# KiCad board JumperlessArduino.kicad_pcb (continued)
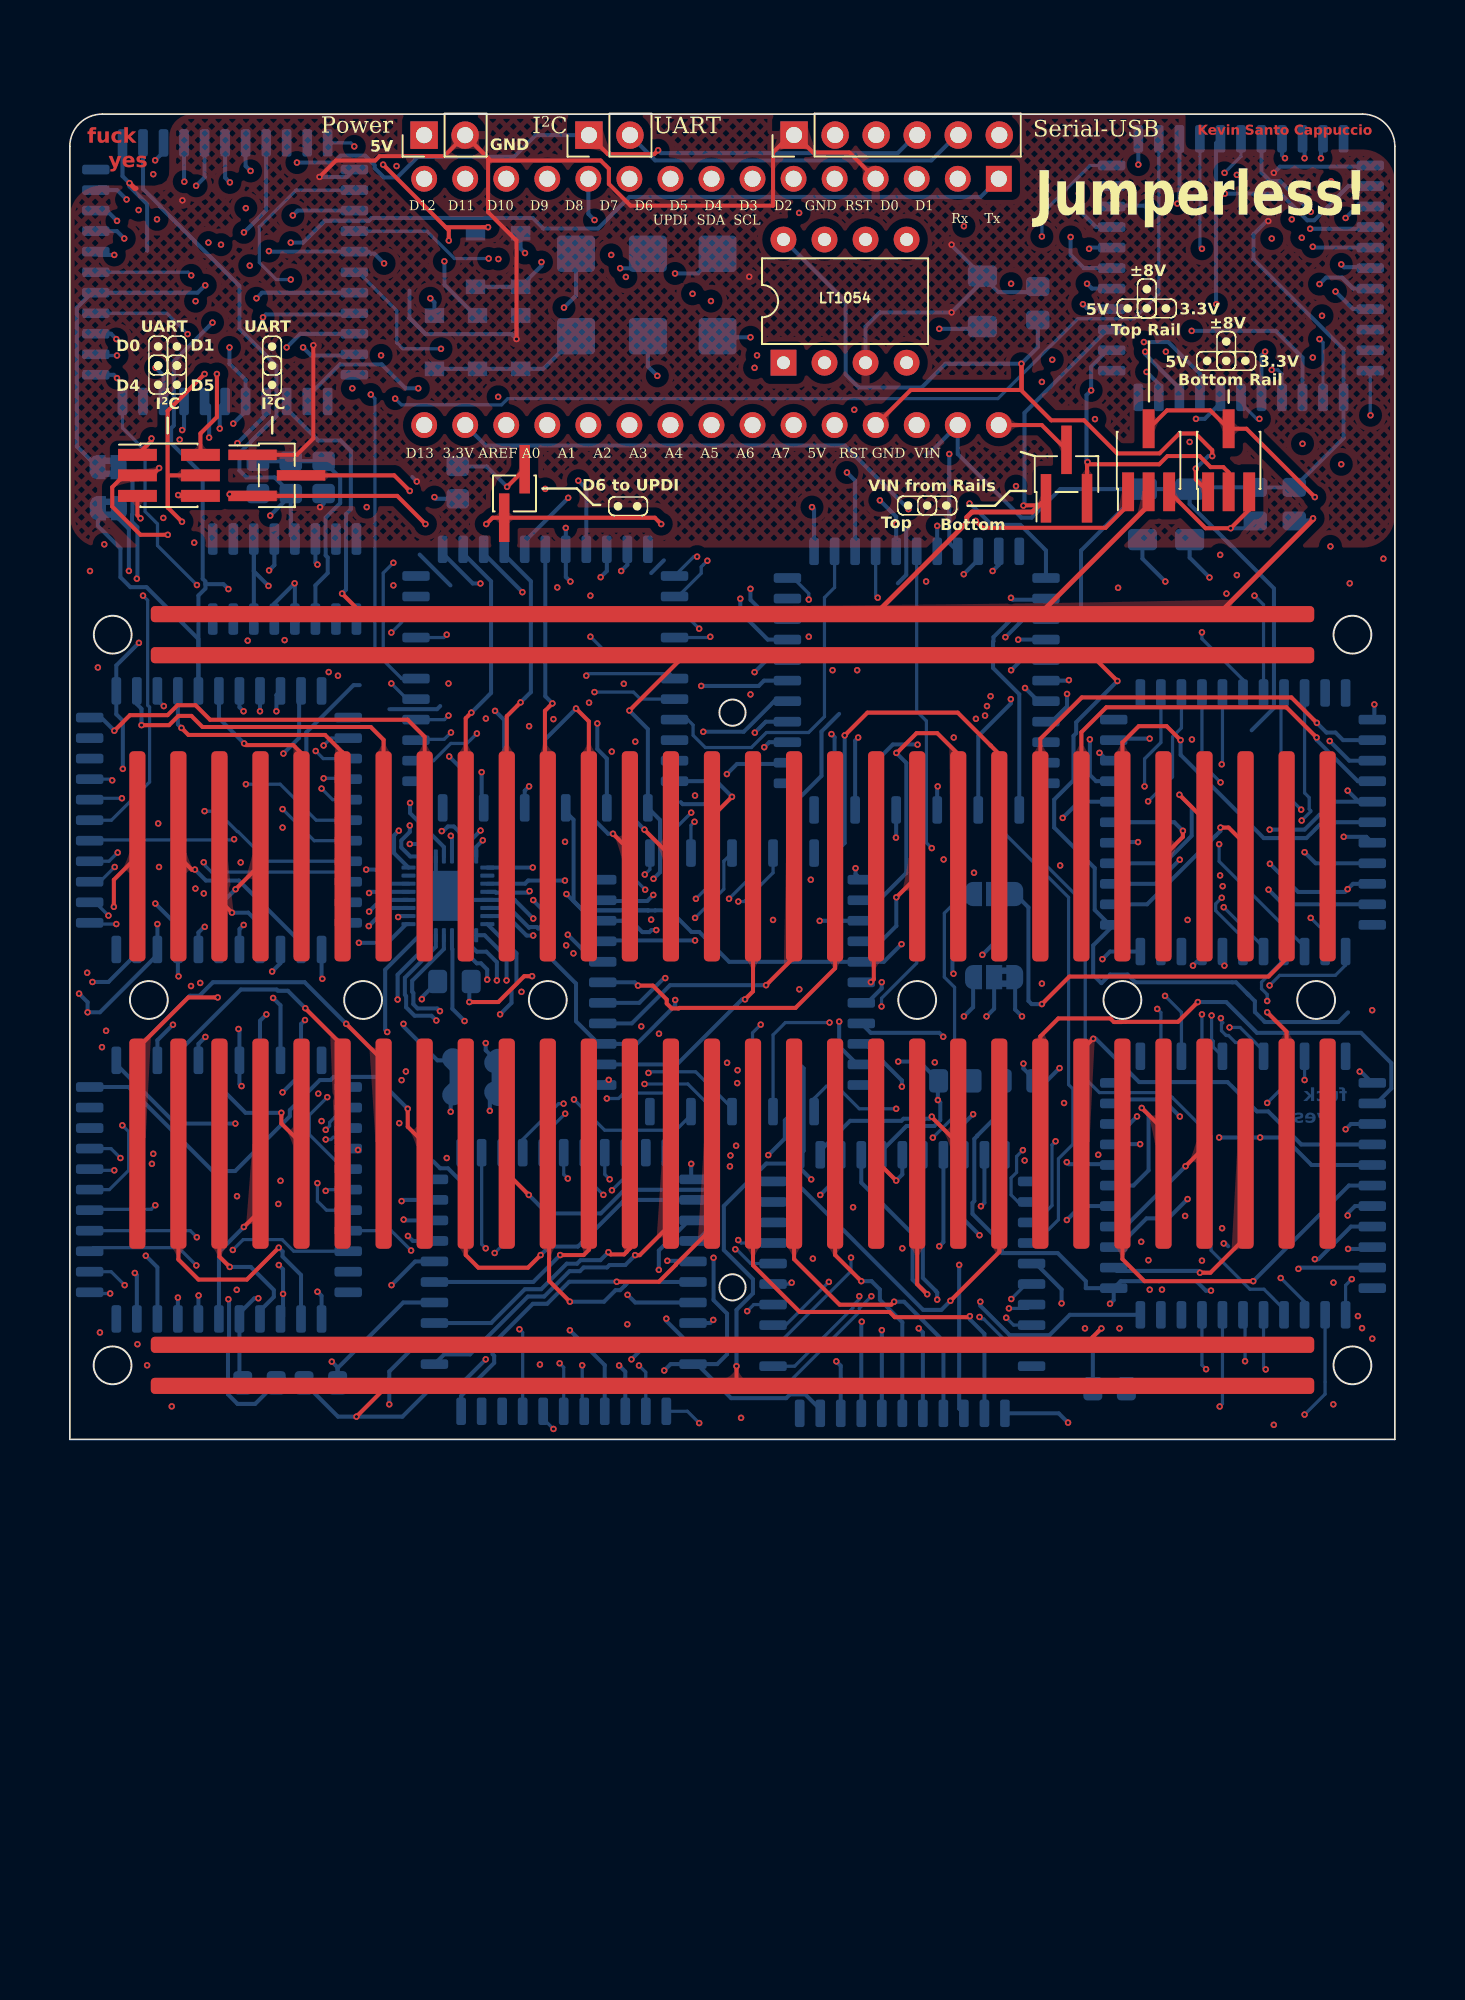
[diagram p0: board, top side]
## Routing (per net, layer and track width the routed paths; a pad name or vN(x,y) marks a point on that pad's centre or on a via; arc(x,y) is an arc through that point) (continued)
  Bottom w0.25: v1(18.52,32.66) 19.24,33.38 U2.12 ; v1(66.12,78.88) I.40
CS_J: length 50.3
  In1.Cu w0.25: v1(18.52,33.81) 17.48,34.84 v1(17.48,65.03)
  In2.Cu w0.25: v1(2.92,65.67) 3.56,65.03 v1(17.48,65.03)
  Bottom w0.25: v1(18.52,33.81) 18.59,33.88 U2.13 ; J.40 2.72,65.87 v1(2.92,65.67)
CS_K: length 55.8
  In1.Cu w0.25: v1(18.34,35.26) 18.37,35.29 18.37,57.68 v1(18.37,57.68)
  In2.Cu w0.25: v1(45.93,57.68) 45.91,57.67 45.81,57.67 45.74,57.74 45.36,57.74 45.36,57.73 45.36,57.74 18.43,57.74 v1(18.37,57.68)
  Bottom w0.25: v1(45.93,57.68) 46.06,57.55 K.40 ; U2.14 19.82,34.38 18.94,35.26 v1(18.34,35.26)
D0: length 68.2
  Top w0.25: J6.1 5.05,61.79 v1(5.05,61.93)
  In1.Cu w0.25: v1(5.05,61.93) 5.35,62.23 5.35,66.27 v1(5.31,66.31) 5.35,66.36 5.35,75.44 v1(5.4,75.49)
  In2.Cu w0.25: A1.2 53.36,76.41 40.42,76.41 39.98,75.97 32.23,75.97 31.79,75.53 14.34,75.53 14.02,75.21 5.68,75.21 v1(5.4,75.49)
  Bottom w0.25: J.37 5.8,65.82 v1(5.31,66.31)
D1: length 72.7
  Top w0.25: J6.2 8.09,62.24 9.1,63.25 v1(9.1,65.92)
  In1.Cu w0.25: v1(9.36,73.92) 9.36,67.57 9.1,67.32 v1(9.1,65.92)
  In2.Cu w0.25: v1(9.36,73.92) 9.61,73.92 9.74,74.05 v1(13.67,74.05) ; A1.1 61.54,78 v1(62.44,77.1)
  Bottom w0.25: v1(13.67,74.05) 14.44,74.05 15.79,75.41 18.51,75.41 18.68,75.57 28.64,75.57 29.3,74.92 32.69,74.92 34.64,76.88 56.36,76.88 A1.1 ; v1(62.44,77.1) 62.44,76.08 63.51,75.01 I.36
D2: length 88.3
  In1.Cu w0.25: A1.5 47.83,77.5 47.83,65.55 48.73,64.65 v1(48.73,47.59)
  In2.Cu w0.25: v1(48.73,47.59) 48.8,47.52 58.18,47.52 v1(58.25,47.59) ; v1(8.62,61.98) 10.32,60.29 30.94,60.29 30.94,60.29 40.42,60.29 40.77,60.65 44.66,60.65 46.13,62.12 46.13,63.26 46.83,63.96 48.29,63.96 v1(48.54,63.71)
  Bottom w0.25: v1(8.62,61.98) 8.62,63.94 J.35 ; v1(58.25,47.59) 58.88,48.22 K.11
D3: length 52.6
  In1.Cu w0.25: v1(61.83,46.98) 61.93,47.09 v1(61.93,74.4) ; v1(45.13,75.89) 44.79,76.23 A1.6
  In2.Cu w0.25: v1(61.93,74.4) 60.43,75.9 45.14,75.9 v1(45.13,75.89)
  Bottom w0.25: K.12 61.79,46.95 v1(61.83,46.98) ; I.34 62.75,72.47 61.93,73.29 v1(61.93,74.4)
D4: length 110.4
  Top w0.25: J6.5 4.19,57.18 v1(4.37,56.99)
  In1.Cu w0.25: A1.7 40.97,76.72 40.97,51.8 40.99,51.78 40.99,47.22 v1(42.12,46.09) ; v1(4.37,56.99) 4.87,56.49 6,56.49 6.31,56.8 6.31,57.2 9.85,60.73 9.85,62.59 v1(10.11,62.85) ; v1(9.88,67.56) 10.23,67.91 10.23,75.52 v1(10.89,76.18)
  In2.Cu w0.25: v1(42.12,46.09) 44.55,46.09 45.53,47.07 58.54,47.07 v1(59.11,46.49) ; v1(10.89,76.18) 10.97,76.26 15.97,76.26 16.26,75.98 31.6,75.98 32.05,76.42 39.79,76.42 41.37,78 A1.7
  Bottom w0.25: v1(59.11,46.49) 59.93,45.68 K.13 ; v1(10.11,62.85) 10.88,63.62 J.33 10.88,65.56 9.88,66.56 v1(9.88,67.56)
D5: length 106
  Top w0.25: v1(6.71,58.43) 6.76,58.38 J6.6
  In1.Cu w0.25: v1(7.78,70.43) 7.82,70.39 7.82,59.54 v1(6.71,58.43) ; v1(62.7,70.24) 62.46,70 62.46,46.87 v1(61.71,46.12) ; A1.8 39.71,70.47 v1(39.68,70.43)
  In2.Cu w0.25: v1(62.7,70.24) 62.43,70.51 39.75,70.51 v1(39.68,70.43) 39.6,70.36 38.32,70.36 37.68,71 23.81,71 23.68,71.13 8.85,71.13 8.6,70.88 8.24,70.88 v1(7.78,70.43)
  Bottom w0.25: v1(62.7,70.24) 62.95,69.99 64.42,69.99 I.32 ; K.14 60.77,44.41 61.71,45.35 v1(61.71,46.12)
D6: length 102.7
  Top w0.25: v1(25.77,56.63) 26.17,57.03 JP9.2 36.2,57.03 v1(36.6,56.63)
  In1.Cu w0.25: A1.9 38.22,76.95 38.22,71.67 36.88,70.33 36.88,64.38 36.01,63.5 36.01,57.22 v1(36.6,56.63) 35.77,55.81 35.77,43.95 v1(34.99,43.17) ; v1(5.79,57.02) 5.79,59.43 6.32,59.97 6.32,61.63 5.98,61.97 5.98,78.44 v1(5.28,79.14)
  In2.Cu w0.25: v1(5.79,57.02) 6.69,56.11 25.25,56.11 v1(25.77,56.63) ; v1(42.97,42.83) 42.87,42.72 35.44,42.72 v1(34.99,43.17)
  Bottom w0.25: J.9 5.8,79.66 v1(5.28,79.14) ; v1(42.97,42.83) 43.28,43.14 K.31
D7: length 96.3
  In1.Cu w0.25: 33.51,73.67 33.51,45.8 33.57,45.74 33.57,42.59 v1(33.54,42.56) ; 33.51,73.67 v1(33.51,73.29) ; 33.51,73.67 33.51,76.88 A1.10
  In2.Cu w0.25: v1(33.51,73.29) 42.16,73.29 42.84,72.61 61.09,72.61 63.34,74.86 75.73,74.86 75.78,74.91 v1(76.76,74.91) ; v1(33.54,42.56) 33.64,42.56 34.96,41.24 35.47,41.24 35.54,41.17 v1(40.66,41.17)
  Bottom w0.25: v1(40.66,41.17) 41.29,41.79 44.33,41.79 K.30 ; v1(76.76,74.91) 80.37,74.91 I.10
D8: length 79.5
  In1.Cu w0.25: v1(55.33,75.07) 56.36,74.03 56.36,58.6 v1(55.68,57.91)
  In2.Cu w0.25: v1(32.47,75.45) 32.55,75.36 55.03,75.36 v1(55.33,75.07) ; v1(7.82,77.57) 8.14,77.25 9.8,77.25 10.34,76.71 16.16,76.71 16.44,76.43 30.52,76.43 A1.11
  Bottom w0.25: A1.11 32.09,75.83 v1(32.47,75.45) ; J.11 8.34,78.09 v1(7.82,77.57) ; v1(55.68,57.91) 55.72,57.91 57.05,56.58 58.83,56.58 60.41,55 K.7
D9: length 95.3
  In1.Cu w0.25: A1.12 26.63,75.08 26.63,73.67 28.42,71.87 28.42,59.81 v1(29.42,58.81) ; v1(58.24,52.07) 58.38,52.21 58.38,58.81 v1(58.55,58.98) ; v1(78.68,60.33) 78.77,60.43 78.77,68.51 78.93,68.67 78.93,71.91 78.68,72.15 v1(78.68,72.7)
  In2.Cu w0.25: v1(78.68,60.33) 77.23,58.88 58.66,58.88 v1(58.55,58.98) 58.46,58.98 58.44,59.01 51.97,59.01 51.76,58.79 29.44,58.79 v1(29.42,58.81)
  Bottom w0.25: 60.41,52.03 60.33,51.95 58.36,51.95 v1(58.24,52.07) ; I.12 80.42,72.53 78.86,72.53 v1(78.68,72.7)
D10: length 20.5
  In2.Cu w0.25: A1.13 25.88,76.88 16.63,76.88 16.22,77.28 10.4,77.28 v1(9.91,77.78)
  Bottom w0.25: v1(9.91,77.78) 9.61,78.07 J.12
D11: length 76.7
  In1.Cu w0.25: A1.14 24.47,66.55 v1(26.51,64.51) ; v1(76.92,66.94) 76.81,67.04 76.81,73.67 76.8,73.68 v1(76.92,73.8)
  In2.Cu w0.25: v1(76.92,66.94) 74.36,64.38 49.25,64.38 48.77,64.86 46.47,64.86 46.11,64.51 v1(26.51,64.51)
  Bottom w0.25: v1(76.92,73.8) 76.97,73.74 I.11
D12: length 12.9
  In2.Cu w0.25: A1.15 16.69,78 16.05,78.64 15.23,78.64 15.07,78.47 11.2,78.47 v1(11.19,78.49)
  Bottom w0.25: v1(11.19,78.49) 10.88,78.79 J.13
D13: length 66.4
  In1.Cu w0.25: v1(77.49,69.53) 77.26,69.75 77.26,71.41 v1(77.34,71.48)
  In2.Cu w0.25: A1.16 23.15,63.98 46.22,63.98 46.65,64.41 48.58,64.41 49.06,63.93 74.8,63.93 77.83,66.95 77.83,67.83 77.86,67.86 77.86,68.3 77.83,68.33 77.83,69.19 v1(77.49,69.53)
  Bottom w0.25: v1(77.34,71.48) 77.74,71.89 78.73,71.89 79.42,71.2 I.13
DAC_0-5V: length 103
  In1.Cu w0.25: v1(71.19,54.73) 71.2,54.75 71.2,60.61 71.48,60.88 v1(71.48,77.08)
  In2.Cu w0.25: v1(71.19,54.73) 69.76,54.73 68.64,55.86 52.65,55.86 51.36,57.15 50.54,57.15 49.49,56.1 34.84,56.1 32.34,53.6 13.09,53.6 v1(12.29,52.81)
  Bottom w0.25: v1(71.48,77.08) 74.92,77.08 76.58,75.43 77.01,75.43 79.13,77.55 I.8 ; U1.14 U1.3 11.39,53.71 v1(12.29,52.81)
DAC_+-9V: length 111.4
  Top w0.25: v1(77.05,58.3) 72.82,62.53 JP6.4 70.58,63.67 67.9,63.67 JP5.4
  In2.Cu w0.25: v1(12.4,57.16) 49.84,57.16 50.28,57.6 50.36,57.6 50.38,57.63 51.22,57.63 52.03,58.43 55.89,58.43 56.02,58.3 v1(77.05,58.3)
  Bottom w0.25: J.8 4.53,77.38 5.61,76.29 5.61,76.25 10.5,71.36 10.5,68.72 12.79,66.43 12.79,63.31 10.5,61.03 10.5,59.95 10.93,59.52 12.67,59.52 R3.2 ; R3.2 13.67,55.96 U1.5 ; R3.2 13.67,58.43 v1(12.4,57.16)
DAC_OUT: length 29.6
  In1.Cu w0.25: v1(20.36,37.66) 20.08,37.94 20.08,39.82 20.53,40.27 20.53,52.33 v1(20.02,52.84)
  In2.Cu w0.25: v1(20.02,52.84) 19.9,52.97 v1(13.91,52.97)
  Bottom w0.25: U2.16 20.07,36.28 20.07,37.37 v1(20.36,37.66) ; U1.12 13.93,52.95 v1(13.91,52.97) 12.66,51.71 U1.13
DATA: length 349.1
  In1.Cu w0.25: v1(78.2,9.7) 77.7,10.2 77.7,17.93 v1(78.95,19.19) 78.85,19.29 78.85,31.24 77.2,32.9 77.2,35.57 77.71,36.08 77.71,42.95 v1(77.97,43.21) 77.97,44.53 77.49,45.01 77.49,58 77.57,58.08 77.57,64 76.36,65.21 76.36,73.49 75.6,74.25 75.6,75.47 v1(75.62,75.49) ; v1(1.07,28.87) 1.12,28.92 1.12,51.98 2.66,53.51 2.66,55.6 2.4,55.86 2.4,67.6 v1(2.88,68.08) ; v1(13.2,9) 13.69,9.49 13.69,25.43 13.14,25.98 13.14,28.33 v1(12.52,28.95) ; v1(28.68,33.37) 29.08,33.77 29.08,35.03 29.2,35.15 29.2,51.23 v1(28.01,52.42) ; v1(68.54,76.46) 68.54,62.48 v1(69.3,61.71) ; v1(36.45,10.49) 36.45,10.67 36.39,10.73 36.39,10.79 36.41,10.81 36.41,16.65 37.52,17.76 37.52,27.13 v1(37.46,27.19)
  In2.Cu w0.25: v1(1.07,28.87) 1.38,29.18 12.29,29.18 v1(12.52,28.95) ; v1(68.54,76.46) 74.65,76.46 v1(75.62,75.49) ; v1(78.2,9.7) 77.96,9.46 74.72,9.46 72.6,11.58 68.96,11.58 67.87,10.5 65.64,10.5 65.34,10.8 v1(55.04,10.8) 54.96,10.72 47.35,10.72 47.15,10.52 36.49,10.52 v1(36.45,10.49) 36.34,10.49 36.19,10.33 36.14,10.33 36.11,10.3 20.88,10.3 20.4,10.79 v1(12.94,10.79) ; v1(69.3,61.71) 67.41,59.83 v1(48.09,59.83)
  Bottom w0.25: v1(48.09,59.83) 48.6,59.32 48.6,54.95 K.42 ; D.42 79.18,42 v1(77.97,43.21) 78.01,43.25 ; v1(12.94,10.79) 13.2,10.53 v1(13.2,9) 13.2,7.61 13.04,7.45 ; v1(12.52,28.95) 13.04,29.47 13.04,30.31 ; v1(2.88,68.08) 2.55,68.41 J.42 ; v1(28.68,33.37) 28.68,33.34 29.26,32.76 ; 29.26,32.76 29.26,30.27 31.33,28.2 31.33,25.87 32.73,24.47 C.42 35.09,24.47 37.46,26.85 v1(37.46,27.19) ; 29.26,32.76 29.26,31.85 29.03,31.62 28.98,31.62 28.89,31.7 28.46,31.7 28.42,31.66 27.2,32.88 U2.30 ; v1(68.54,76.46) 68.67,76.59 I.42 ; F.42 38.31,13.55 36.45,11.69 v1(36.45,10.49) ; v1(28.01,52.42) 28.01,52.43 25.61,54.82 B.42 ; v1(55.04,10.8) 55.04,1.9 G.42 ; H.42 79.28,19.52 v1(78.95,19.19)
DI: length 54.4
  In1.Cu w0.2: v1(71.46,78.37) 71.46,78.3 72.34,77.42 72.34,54.74 71.08,53.48 71.08,51.57 71.78,50.86 71.78,37.59 71.13,36.93 v1(71.13,36.83)
  Bottom w0.2: D.9 76.41,30.48 71.13,35.77 v1(71.13,36.83) ; I.1 72.47,79.38 v1(71.46,78.37)
DJ: length 119.7
  In1.Cu w0.2: v1(60.16,28.2) v1(60.16,65.43)
  In2.Cu w0.2: v1(60.16,65.43) 51,65.43 50.63,65.8 50.63,67.45 50.36,67.72 43.06,67.72 42.92,67.57 32.12,67.57 29.77,69.93 7.58,69.93 7.28,70.22 7.28,71.79 v1(7.51,72.02) ; v1(74.1,27.12) 72.41,28.81 64.3,28.81 63.69,28.2 v1(60.16,28.2)
  Bottom w0.2: D.10 75.14,29.69 73.75,28.29 73.75,27.88 74.1,27.53 v1(74.1,27.12) ; v1(7.51,72.02) 7.32,72.22 J.1
DK: length 48.7
  In2.Cu w0.2: v1(53.34,36.59) 53.47,36.46 67.72,36.46 68.19,36.92 70.32,36.92 70.93,36.32 71.48,36.32 71.78,36.62 75.23,36.62 76.79,35.06 v1(76.79,32.27)
  Bottom w0.2: K.1 52.41,45.05 53.01,44.45 53.01,36.92 v1(53.34,36.59) ; v1(76.79,32.27) 77.68,31.38 D.8
EI: length 125.6
  In1.Cu w0.2: v1(71.31,13.06) 72.75,14.51 72.75,36.73 72.98,36.96 72.98,50.7 73.81,51.52 73.81,62.95 v1(73.62,63.14)
  In2.Cu w0.2: v1(5.29,14.49) 8.68,14.49 10.52,12.64 10.98,12.64 11.42,13.08 22.63,13.08 23.14,13.6 26,13.6 26.12,13.72 32.43,13.72 32.44,13.73 41.87,13.73 42.64,12.96 55.26,12.96 56.09,12.13 56.5,12.13 57.43,13.06 v1(71.31,13.06)
  Bottom w0.2: E.11 1.28,14.23 5.04,14.23 v1(5.29,14.49) ; v1(73.62,63.14) 73.45,63.14 72.47,64.12 I.23
EJ: length 86.3
  In1.Cu w0.2: v1(23.33,17.41) 23.07,17.66 23.07,25.51 23.97,26.4 23.97,27.65 24.09,27.77 24.09,50.3 23.11,51.28 23.11,67.34 v1(22.97,67.48)
  In2.Cu w0.2: v1(3.25,19.43) 4.51,18.17 6.13,18.17 6.89,17.41 v1(23.33,17.41)
  Bottom w0.2: v1(22.97,67.48) 20.61,67.48 20.23,67.85 20.23,69.84 17.85,72.22 J.23 ; v1(3.25,19.43) 3.64,19.04 3.64,16.65 2.45,15.45 E.12
EK: length 64.5
  In1.Cu w0.2: v1(51.52,11.82) 51.77,12.07 51.77,20.84 50.31,22.3 50.31,26.71 v1(50.23,26.79)
  In2.Cu w0.2: v1(21.12,11.68) 22.43,11.68 23.49,12.75 26.35,12.75 26.47,12.87 32.79,12.87 32.79,12.88 41.47,12.88 41.52,12.83 41.57,12.83 42.58,11.82 v1(51.52,11.82)
  Bottom w0.2: v1(50.23,26.79) 50.23,27.3 52.41,29.47 K.23 ; v1(21.12,11.68) 19.89,12.91 E.36
FI: length 115.6
  In1.Cu w0.2: v1(74.51,0.9) 72.03,3.38 72.03,12.04 73.15,13.16 73.15,27.52 73.19,27.56 73.19,36.61 73.43,36.85 73.43,48.34 74.38,49.28 v1(74.38,66.18)
  In2.Cu w0.2: v1(74.51,0.9) 74.12,0.51 30.06,0.51 v1(29.93,0.64)
  Bottom w0.2: 29.3,1.74 29.3,1.28 v1(29.93,0.64) ; v1(74.38,66.18) 74.76,66.18 75.02,65.92 I.21
FJ: length 82.2
  In1.Cu w0.2: v1(27.82,6.81) 27.45,7.19 27.45,27.9 27.53,27.97 27.53,29.12 27.28,29.37 27.28,55.92 25.91,57.29 25.91,63.27 26.65,64.01 26.72,64.01 27.01,64.3 27.01,64.82 25.92,65.9 v1(25.92,73.06)
  Bottom w0.2: F.14 28.02,6.61 v1(27.82,6.81) ; J.21 22.1,74.76 23.8,73.06 v1(25.92,73.06)
FK: length 47
  In2.Cu w0.2: v1(30.82,16.14) 31.27,16.59 33.19,16.59 33.2,16.59 33.62,16.59 33.82,16.39 41.32,16.39 43.6,18.67 v1(53.41,18.67)
  Bottom w0.2: v1(53.41,18.67) 54.75,20.01 54.75,27.97 54.12,28.61 54.12,32.56 54.95,33.39 K.21 ; F.34 30.56,16.39 v1(30.82,16.14)
GI: length 75.6
  In1.Cu w0.2: v1(60.8,66.8) 60.8,37.72 61.79,36.73 61.79,22.41 61,21.63 v1(61,18.44)
  In2.Cu w0.2: v1(77.34,68.08) 76.06,66.8 v1(60.8,66.8)
  Bottom w0.2: v1(61,18.44) 60.78,18.22 60.78,14.46 59.74,13.42 G.31 ; 77.56,64.47 77.56,67.86 v1(77.34,68.08)
GJ: length 115.2
  In1.Cu w0.2: v1(58.25,71.51) 59.65,70.11 59.65,18.56 v1(58.98,17.9)
  In2.Cu w0.2: v1(58.25,71.51) 58.17,71.43 25.55,71.43 25.21,71.76 v1(13.67,71.76)
  Bottom w0.2: v1(13.67,71.76) 12.79,71.76 11.73,72.82 11.73,75.03 14,77.3 J.19 ; v1(58.98,17.9) 58.59,17.5 58.59,16.52 58.25,16.18 58.25,15.12 58.68,14.69 G.30
GK: length 29.9
  Bottom w0.2: K.19 57.49,37.86 61.81,33.54 61.81,21.95 62.08,21.68 62.08,18.26 61.18,17.36 61.18,13.59 59.74,12.15 G.32
HI: length 62.4
  In1.Cu w0.2: v1(79.33,9.91) 78.57,10.68 78.57,12.2 80.32,13.95 80.32,22.96 80.09,23.19 80.09,31.23 78.07,33.26 78.07,35.21 79.33,36.47 79.33,38.8 78.58,39.55 78.58,40.35 78.96,40.73 78.96,45.61 80.71,47.36 80.71,63.15 v1(80.49,63.37)
  Bottom w0.2: v1(79.33,9.91) 78.95,9.53 H.7 ; v1(80.49,63.37) 80.47,63.38 I.17
HJ: length 148.6
  In1.Cu w0.2: v1(41.54,1.33) 45.17,4.96 45.17,19.78 44.47,20.48 44.47,29.35 44.39,29.42 44.39,48.41 43.65,49.16 43.65,64.47 42.38,65.74 v1(42.38,66.3) ; v1(19.26,67.07) 19.26,71.22 19.95,71.91 19.95,77.61 17.6,79.95 v1(17.6,80)
  In2.Cu w0.2: v1(42.38,66.3) 36.57,66.3 36.56,66.31 36.15,66.31 36.15,66.3 20.03,66.3 v1(19.26,67.07) ; v1(76.41,1.53) 41.74,1.53 v1(41.54,1.33)
  Bottom w0.2: J.17 17.39,80.22 v1(17.6,80) ; H.8 77.68,2.8 v1(76.41,1.53)
HK: length 42
  Bottom w0.2: H.10 75.14,8.04 73.9,9.29 73.03,9.29 70.63,11.69 70.63,18.75 68.23,21.14 67.92,21.46 63.72,21.46 62.84,22.34 62.84,33.1 60.41,35.53 K.17
I2C_SCL/UART_Rx: length 126.6
  Top w0.25: v1(8.34,65.92) 6.05,63.64 6.05,57.67 6.07,57.65 ; v1(6.94,56.78) 6.07,57.65 ; 6.07,57.65 6.07,59.65 J6.4
  In1.Cu w0.25: v1(8.07,28.24) 8.07,28.69 7.03,29.73 7.03,43.4 7.45,43.82 7.45,48.4 6.77,49.07 6.77,56.61 v1(6.94,56.78) ; J1.2 33.49,79.53 19.12,79.53 18.12,80.53 8.34,80.53 8.34,74.56 8.05,74.27 8.05,71.82 7.86,71.62 7.86,71.18 8.31,70.73 8.31,65.95 v1(8.34,65.92)
  In2.Cu w0.25: v1(20.65,25.71) 20.57,25.79 19.47,25.79 18.83,25.16 14.06,25.16 12.39,26.82 9.37,26.82 9.37,26.82 8.71,26.82 8.07,27.46 v1(8.07,28.24)
  Bottom w0.25: J1.2 36.23,79.14 53.32,79.14 54.98,80.8 ; JP10.2 22.75,23.45 20.65,25.56 v1(20.65,25.71)
I2C_SDA/UART_Tx: length 129
  Top w0.25: v1(36.41,79.77) 36.17,79.53 33.3,79.53 J1.1 ; v1(5.53,60.1) 5.08,59.65 J6.3 3.36,59.65 2.62,58.92 2.62,57.72 4.37,55.97 v1(6.06,55.97)
  In1.Cu w0.25: v1(5.53,60.1) 4.53,61.1 4.53,62.37 4.78,62.62 4.78,75.86 5.16,76.25 v1(5.16,78.28) ; v1(6.06,55.97) 6.06,48.51 6.38,48.19 6.38,43.81 6.58,43.61 6.58,29.55 7.2,28.92 7.2,28.91 7.5,28.61 v1(7.5,28.05)
  In2.Cu w0.25: v1(7.5,28.05) 7.5,27.01 10.44,24.07 19.14,24.07 19.75,24.68 25.58,24.68 v1(25.74,24.52) ; v1(5.16,78.28) 5.89,79.01 14.05,79.01 v1(14.05,79)
  Bottom w0.25: JP8.2 25.74,24.08 v1(25.74,24.52) ; 52.44,80.8 51.23,79.59 36.58,79.59 v1(36.41,79.77) ; v1(14.05,79) 16.34,79 16.77,79.43 18.27,79.43 18.86,78.84 18.86,78.66 19.44,78.08 20.26,78.08 21.54,79.36 27.49,79.36 28.83,80.7 J1.1
I2C_UART_SELECTION: length 31.2
  Top w0.25: v1(21.04,58.68) 20.08,59.65 JP4.2
  In1.Cu w0.25: v1(21.04,58.68) 21.04,44.45 20.98,44.39 20.98,40.08 20.53,39.63 20.53,38.49 v1(21.04,37.98)
  Bottom w0.25: U2.17 21.07,36.07 20.52,36.62 20.52,37.06 21.04,37.58 v1(21.04,37.98)
NANO_~{RESET}: length 36.6
  In1.Cu w0.25: v1(78.33,71.02) 78.29,71.06 78.31,71.08 78.31,71.89 78.05,72.15 78.05,77.84 v1(78.05,77.84)
  In2.Cu w0.25: A1.3 53.36,78 54.48,79.12 65.13,79.12 66.65,77.61 73.89,77.61 74.1,77.39 77.6,77.39 v1(78.05,77.84)
  Bottom w0.25: v1(78.33,71.02) 79.42,69.93 I.14
RESET: length 324.8
  In1.Cu w0.25: v1(79.71,7.63) 79.53,7.63 77.05,10.11 v1(77.05,11.15) 75.47,12.73 75.47,35.39 v1(76.41,36.33) 76.94,36.86 76.94,42.9 76.63,43.21 76.63,43.59 76.41,43.81 76.41,61.6 ; 76.41,61.6 v1(76.28,61.6) ; 76.41,61.6 75.91,62.1 75.91,73.3 75.03,74.18 75.03,79.11 v1(75.2,79.27) ; v1(6.73,28.65) 6.91,28.47 6.91,28.37 6.96,28.31 6.96,25.6 6.91,25.55 6.91,8.99 v1(6.69,8.77) ; v1(38.69,30.87) 39.21,30.35 39.21,8 v1(39.82,7.39) ; v1(3.37,74.3) 3.45,74.23 3.45,57.71 3.4,57.66 3.4,56.59 5.07,54.92 5.07,38.45 4.95,38.33 4.95,33.5 v1(5.29,33.16)
  In2.Cu w0.25: v1(79.71,7.63) 79.16,7.63 77.69,6.16 52.88,6.16 52.7,6.34 52.19,6.34 51.25,7.28 v1(49.01,7.28) 48.63,6.91 40.3,6.91 v1(39.82,7.39) 39.22,7.99 34.95,7.99 34.92,7.97 7.49,7.97 v1(6.69,8.77) ; v1(76.28,61.6) 75.27,62.62 65.24,62.62 64.22,61.6 55.06,61.6 v1(54.43,60.97) 47.97,60.97 46.57,59.57 40.97,59.57 40.78,59.39 31.54,59.39 v1(31.47,59.32)
  Bottom w0.25: v1(6.73,28.65) 6.69,28.69 A.3 6.69,31.76 v1(5.29,33.16) ; K.3 54.43,55.47 v1(54.43,60.97) ; G.3 48.98,7.25 v1(49.01,7.28) ; C.3 33.03,30.87 v1(38.69,30.87) ; B.3 31.96,58.83 v1(31.47,59.32) ; v1(39.82,7.39) 39.63,7.2 F.3 ; v1(3.37,74.3) 2.91,74.76 J.3 ; I.3 75.02,79.46 v1(75.2,79.27) ; v1(76.41,36.33) 77.1,35.65 D.3 ; H.3 79.28,13.17 77.27,11.15 v1(77.05,11.15) ; E.3 v1(6.69,8.77)
STROBE: length 332.6
  In1.Cu w0.25: v1(28.68,31.18) 29.53,32.03 29.53,34.85 29.93,35.24 v1(29.93,44.56) ; v1(46.41,32.08) 46.33,32.01 46.33,31.26 46.44,31.15 v1(46.44,15.12) ; v1(69.43,68.59) 69.14,68.3 69.14,62.76 69.95,61.95 69.95,61.49 69.05,60.59 69.05,43.7 v1(69.44,43.31) 69.44,43.3 69.44,36.62 v1(68.69,35.87) 68.16,35.34 68.16,29.63 69.28,28.5 69.28,17.91 69.7,17.5 69.7,15.39 v1(69.17,14.87) ; v1(6.31,2.04) 6.09,2.26 6.09,25.36 v1(6.38,25.66) 6.51,25.78 6.51,28.13 6.05,28.59 6.05,38.33 5.82,38.55 v1(5.82,45.37) 5.52,45.67 5.52,55.1 3.85,56.77 3.85,57.47 3.89,57.52 3.89,75.7 v1(4.26,76.06)
  In2.Cu w0.25: v1(6.31,2.04) 19.64,2.04 v1(19.77,2.17) ; v1(69.17,14.87) 68.92,15.12 v1(46.44,15.12) ; v1(69.44,43.31) 67.97,44.78 59.25,44.78 v1(58.23,45.8) 57.53,46.51 46.11,46.51 42.95,43.35 42.76,43.35 42.59,43.19 37.55,43.19 36.62,44.12 33.92,44.12 33.79,44.25 32.69,44.25 v1(32.64,44.3) 32.38,44.56 v1(29.93,44.56) 29.68,44.56 27.85,46.39 24.26,46.39 24.12,46.25 12.84,46.25 12.71,46.12 6.57,46.12 v1(5.82,45.37) ; v1(4.26,76.06) 4.31,76.02 10.32,76.02 10.67,75.66 13.73,75.66 v1(13.8,75.73)
  Bottom w0.25: C.20 46.41,32.09 v1(46.41,32.08) ; v1(13.8,75.73) 14.1,76.03 J.20 ; K.20 56.22,38.95 56.22,43.52 58.23,45.53 v1(58.23,45.8) ; E.20 5.42,24.69 v1(6.38,25.66) ; v1(28.68,31.18) 28.27,31.18 27.06,32.38 U2.31 ; v1(5.82,45.37) 5.42,45.77 A.20 ; v1(69.17,14.87) 67.98,13.67 66.63,13.67 64.85,11.9 H.20 ; v1(46.44,15.12) 47.71,16.39 G.20 ; v1(32.64,44.3) 32.64,42.71 33.23,42.12 33.23,39.07 ; v1(68.69,35.87) 67.2,34.38 D.20 ; v1(69.43,68.59) 74.63,68.59 76.28,66.94 I.20 ; F.20 21.5,5.93 19.77,4.2 v1(19.77,2.17)
TOP_RAIL: length 145.1
  Top w0.25: J5.31 18.12,51.06 v1(16.85,52.33) ; JP1.1 59.98,57.79 59.03,57.79 v1(59.01,57.78)
  Top w0.3: v1(76.94,56.99) 76.94,56.91 71.08,51.06 J5.31 ; JP5.2 66.76,57.8 60.02,51.06 J5.31 ; J5.31 49.85,51.06 55.51,56.72 55.51,57.06 55.83,57.38 59.56,57.38 59.98,57.79
  Bottom w0.25: v1(59.01,57.78) 59.08,57.84 59.08,63.52 64.22,68.66 I.31 ; v1(16.85,52.33) 17.09,52.58 17.09,57.25 17.39,57.55 17.39,61.16 16.75,61.81 15.38,61.81 13.42,63.76 J.31
  Bottom w0.3: v1(76.94,56.99) 76.78,56.83 C8.2
USE_NANO_AS_UPDI_PROGRAMMER: length 39.1
  In1.Cu w0.25: v1(32.13,45.58) 32.13,45.16 31.95,44.98 31.95,35.89 v1(30.64,34.58) ; v1(23.43,46.77) 22.56,47.64 v1(22.56,58.3)
  In2.Cu w0.25: v1(32.13,45.58) 30.88,46.84 23.5,46.84 v1(23.43,46.77)
  Bottom w0.25: U2.27 28.17,34.38 28.36,34.58 v1(30.64,34.58) ; v1(22.56,58.3) 22.67,58.2 R1.1
Net-(D1-A): length 12
  In2.Cu w0.25: v1(34.06,72.46) 29.57,72.46 v1(29.19,72.85)
  Bottom w0.25: v1(34.06,72.46) 34.87,72.46 C2.1 ; D2.1 D1.2 29.19,72.61 v1(29.19,72.85)
Net-(D3-A): length 9.6
  Bottom w0.25: D3.2 D5.2 29.31,66.24 31.33,68.26
Net-(D3-K): length 42.6
  In1.Cu w0.25: v1(53.81,68.72) 53.81,68.97 51.78,70.99 U3.5
  In2.Cu w0.25: v1(53.81,68.72) 32.51,68.72 31.11,70.12 31.11,70.25 30.8,70.55 22.36,70.55 v1(22.31,70.6)
  Bottom w0.25: v1(53.81,68.72) 56.33,68.72 C4.2 ; v1(22.31,70.6) 22.56,70.35 D3.1
Net-(JP2-B): length 17.9
  In2.Cu w0.25: v1(4.15,53.25) 4.66,53.77 v1(12.33,53.77)
  Bottom w0.25: JP2.2 3.88,59.3 3.88,57.24 3.85,57.21 3.85,56.77 4.18,56.44 4.18,53.29 v1(4.15,53.25) ; U1.4 12.66,54.09 v1(12.33,53.77)
Net-(JP3-A): length 17.7
  In2.Cu w0.25: v1(3.66,53.74) 4.21,54.29 15.16,54.29 v1(15.33,54.13)
  Bottom w0.25: U1.6 15.2,54.25 v1(15.33,54.13) ; v1(3.66,53.74) 3.66,56.33 3.04,56.95 JP3.1
Net-(JP8-A): length 14.2
  In1.Cu w0.25: v1(26.63,26.3) 26.63,20.96 v1(25.99,20.33)
  Bottom w0.25: U2.32 27.64,30.08 27.64,28.18 27.33,27.87 27.33,27 v1(26.63,26.3) ; v1(25.99,20.33) 25.99,20.98 JP8.1
Net-(JP9-A): length 5.1
  Top w0.25: v1(27.06,58.94) JP9.1
  Bottom w0.25: R1.2 25.8,60.2 v1(27.06,58.94)
Net-(JP10-A): length 14.7
  In1.Cu w0.25: v1(23.57,20.27) 25.06,21.76 25.06,26.21 27.03,28.17 v1(27.03,28.4)
  Bottom w0.25: JP10.1 23.57,21.19 v1(23.57,20.27) ; U2.1 25.67,31.19 27.03,29.84 v1(27.03,28.4)
Net-(U1B--): length 15
  Bottom w0.25: U1.11 15.2,52.84 15.96,53.6 15.96,54.57 15.83,54.7 15.83,57.03 16.73,57.93 16.73,59.5 R2.2 R4.2
Net-(U3-CAP+): length 23.7
  In1.Cu w0.25: v1(36.36,65.81) 36.22,65.94 36.22,70.91 v1(37.45,72.14)
  In2.Cu w0.25: v1(36.36,65.81) 37.67,65.81 37.98,65.5 45.58,65.5 U3.2
  Bottom w0.25: v1(36.36,65.81) 35.77,66.39 35.77,68.26 ; C3.1 38.87,72.14 v1(37.45,72.14)
Net-(U3-CAP-): length 29.2
  In2.Cu w0.25: U3.4 51.78,67.75 51.34,68.19 v1(42.12,68.19) 32.11,68.19 30.58,69.72 v1(30.58,70.03)
  Bottom w0.25: v1(42.12,68.19) 40.16,68.19 40.09,68.26 ; v1(30.58,70.03) 31.33,70.77 C5.1

## Copper pours and planes (outline as drawn; the poured copper is in the pictures)
GND on Top: 69.05,80.3 69.07,80.12 69.12,79.99 69.22,79.89 69.33,79.84 69.45,79.82 82.74,79.82 82.69,55.18 -1.01,55.18 -1.11,55.28 -1.11,77.25 -0.52,77.83 -0.22,77.61 5.24,77.58 5.7,77.68 5.98,77.89 6.13,78.22 6.16,78.62 6.16,82.2 69.17,82.2 69.05,81.97
GND on Bottom: 85.56,84.97 85.3,-6.98 -3.6,-5.83 -6.77,87.39 85.56,85.1

Small or netless copper shapes (teardrops, artwork), in the pictures only: 192 on Top, 1024 on Bottom, 480 on In1.Cu, 450 on In2.Cu

## Text on the board
Bottom: fuck / yes
B.Silkscreen: AVR32DD32 | JLCJLCJLCJLC | 5V | GND | Tx/SDA | Rx/SCL | Tx | Rx | Adj Supply Cutoff | Tx  Rx | I^{2}C            UART
Top: Kevin Santo Cappuccio | fuck / yes
F.Silkscreen: D12   D11   D10    D9    D8    D7    D6    D5    D4    D3    D2   GND  RST  D0    D1 | UPDI | SDA  SCL | Rx    Tx | D13  3.3V AREF A0    A1    A2    A3    A4    A5    A6    A7    5V   RST GND  VIN | D0 | D4 | UART | I^{2}C | D1 | D5 | 5V | GND | D6 to UPDI | VIN from Rails | Top | Bottom | Top Rail | ±8V | Bottom Rail | 3.3V | Jumperless!
